# Altium PCB master.PcbDoc (part 5 of 5)
Units mm, origin at the board's own origin, x right, y up, seen from the top; angles counter-clockwise.
Board outline 160 x 120 mm, 4 copper layers (Top Copper, Signal Layer 1, Signal Layer 2, Bot Copper), stack 1.56 mm thick; 330 components, 331 nets, 1402 pads, 711 vias.
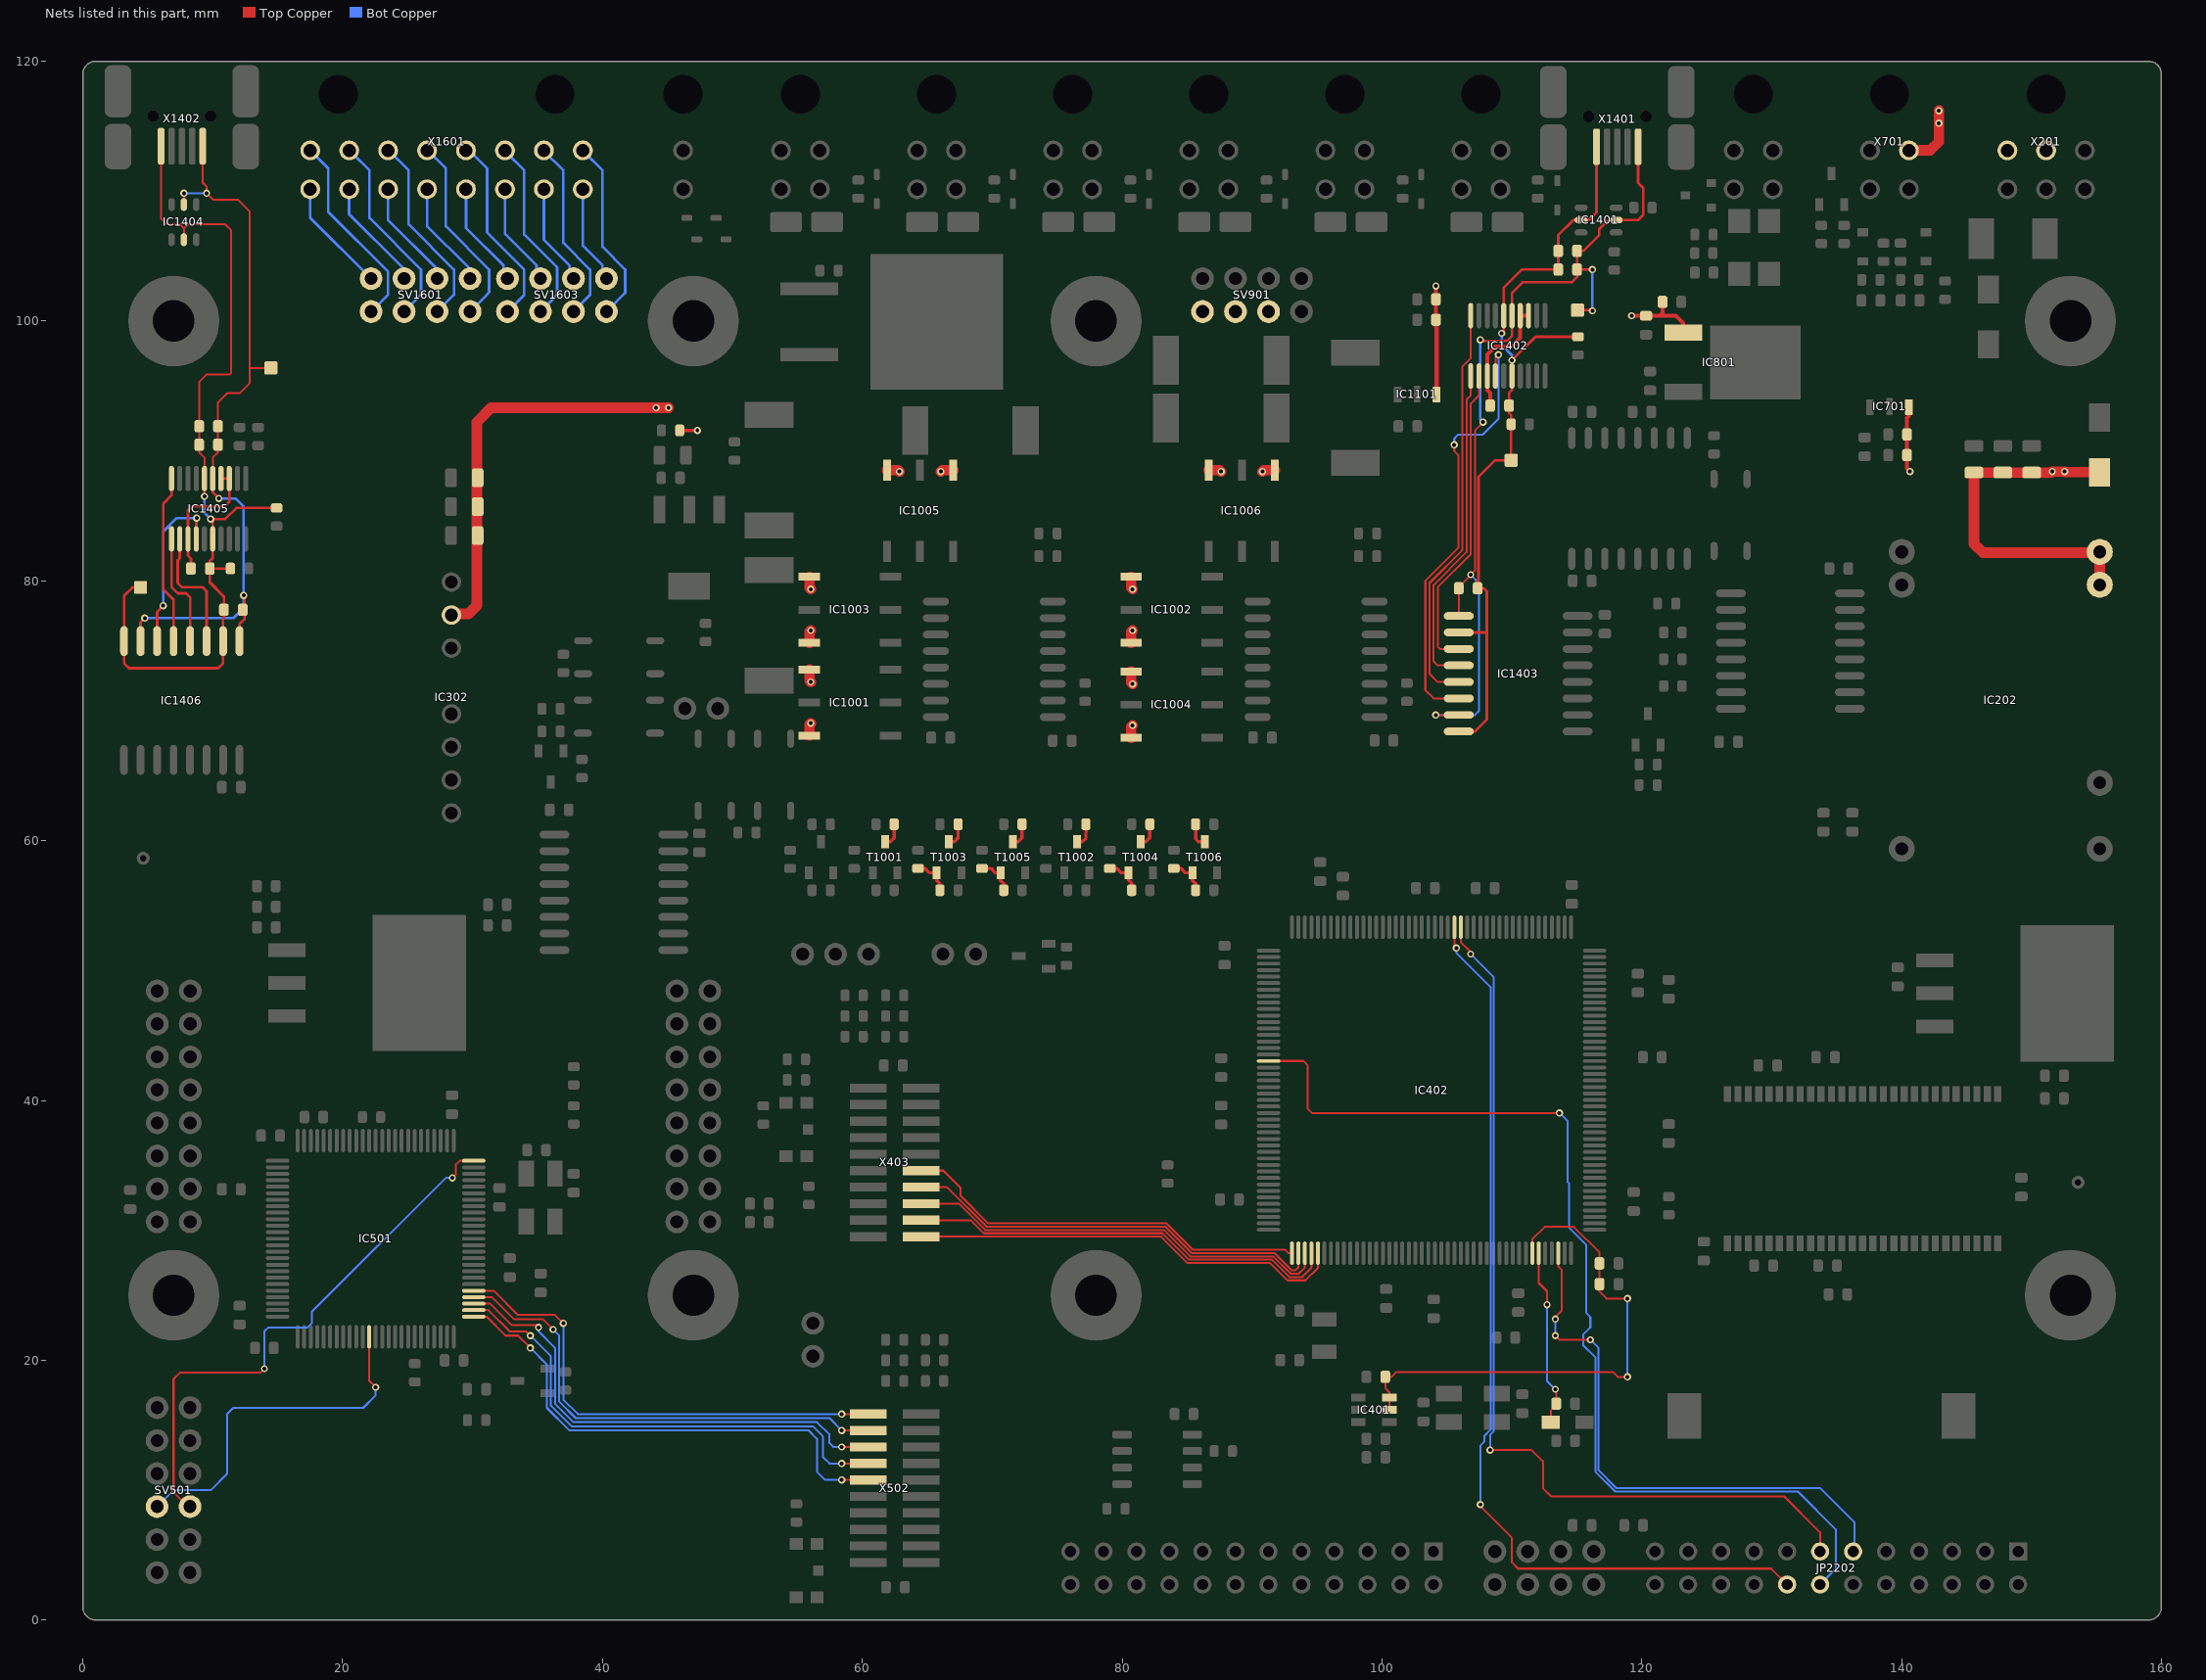
[diagram p7: the nets of this part, all layers, seen from the top]

## Via types
v1: diameter 0.55, hole 0.3, Top Copper to Bot Copper, tented both sides, 708 vias
v2: diameter 0.65, hole 0.4, Top Copper to Bot Copper, tented both sides, 3 vias

## Nets (pads, with @x,y where several pads share a name; then routed paths per layer and width w, separated by ;. In a path a pad name is that pad's centre, name@x,y a point inside that pad or via, vN(x,y) a via of type N, cw(c..) or ccw(c..) an arc to the next point about the centre after c; other vN are vias at no path point) (continued)
NetR1005_1: R1005.1 T1001.D | length 1.9
  Top Copper w0.254: T1001.D@61.754,59.923 62.155,59.923 62.155,59.93 62.454,60.228 R1005.1@62.454,61.263
NetR1006_1: R1006.1 T1002.D | length 1.9
  Top Copper w0.254: T1002.D@76.517,59.923 76.941,59.923 77.216,60.198 77.216,60.709 77.218,60.711 R1006.1@77.218,61.263
NetR1007_1: R1007.1 R1009.2 T1003.G | length 3.1
  Top Copper w0.254: R1009.2@64.294,57.864 64.845,57.864 65.187,57.523 T1003.G@65.725,57.523 65.725,56.921 65.912,56.734 65.975,56.734 R1007.1@65.975,56.183
NetR1008_1: R1008.1 R1010.2 T1004.G | length 3.1
  Top Copper w0.254: R1010.2@79.057,57.864 79.609,57.864 79.95,57.523 T1004.G@80.489,57.523 80.489,56.921 80.552,56.921 80.739,56.734 R1008.1@80.739,56.183
NetR1011_1: R1011.1 T1003.D | length 1.9
  Top Copper w0.254: T1003.D@66.675,59.923 67.077,59.923 67.375,60.221 R1011.1@67.375,61.263
NetR1012_1: R1012.1 T1004.D | length 1.9
  Top Copper w0.254: T1004.D@81.439,59.923 81.84,59.923 82.139,60.221 R1012.1@82.139,61.263
NetR1013_1: R1013.1 R1015.2 T1005.G | length 3.1
  Top Copper w0.254: R1015.2@69.215,57.864 69.903,57.864 70.245,57.523 T1005.G@70.646,57.523 70.646,56.921 70.833,56.734 70.896,56.734 R1013.1@70.896,56.183
NetR1014_1: R1014.1 R1016.2 T1006.G | length 3.1
  Top Copper w0.254: R1016.2@83.979,57.864 84.53,57.864 84.872,57.523 T1006.G@85.41,57.523 85.41,56.921 85.597,56.734 85.66,56.734 R1014.1@85.66,56.183
NetR1017_1: R1017.1 T1005.D | length 1.9
  Top Copper w0.254: T1005.D@71.596,59.923 71.998,59.923 72.296,60.221 R1017.1@72.296,61.263
NetR1018_1: R1018.1 T1006.D | length 1.9
  Top Copper w0.254: R1018.1@85.66,61.263 85.66,60.136 85.873,59.923 T1006.D@86.36,59.923
NetSV1601_1: SV1601.1 X1601.1 | length 15.6
  Bot Copper w0.152: X1601.1@17.5,113.06 17.545,113.015 X1601.1@17.621,113.015
  Bot Copper w0.203: X1601.1@17.5,113.14 17.5,113.136 17.621,113.015 18.891,111.745 18.891,108.411 23.495,103.808 23.495,102.035 SV1601.1@22.19,100.73
NetSV1601_2: SV1601.2 X1601.9 | length 8.8
  Bot Copper w0.203: X1601.9@17.5,110.14 17.5,107.96 SV1601.2@22.19,103.27
NetSV1601_3: SV1601.3 X1601.2 | length 15.4
  Bot Copper w0.152: X1601.2@20.5,113.06 20.545,113.015 X1601.2@20.637,113.015
  Bot Copper w0.203: X1601.2@20.5,113.14 20.513,113.14 20.637,113.015 22.066,111.586 22.066,107.935 26.035,103.966 26.035,102.035 SV1601.3@24.73,100.73
NetSV1601_4: SV1601.4 X1601.10 | length 8.6
  Bot Copper w0.203: X1601.10@20.5,110.14 20.5,108.231 24.606,104.125 24.606,103.464 SV1601.4@24.73,103.27
NetSV1601_5: SV1601.5 X1601.3 | length 15.2
  Bot Copper w0.152: X1601.3@23.5,113.06 23.5,113.111 X1601.3@23.529,113.14
  Bot Copper w0.203: X1601.3@23.5,113.14 23.529,113.14 25.082,111.586 25.082,107.459 28.575,103.966 28.575,102.035 SV1601.5@27.27,100.73
NetSV1601_6: SV1601.6 X1601.11 | length 8.4
  Bot Copper w0.203: X1601.11@23.5,110.14 23.5,107.771 27.146,104.125 27.146,103.394 SV1601.6@27.27,103.27
NetSV1601_7: SV1601.7 X1601.4 | length 15.1
  Bot Copper w0.152: X1601.4@26.5,113.06 26.5,113.095 X1601.4@26.545,113.14
  Bot Copper w0.203: X1601.4@26.5,113.14 26.545,113.14 27.94,111.745 27.94,107.3 31.274,103.966 31.274,102.22 31.115,102.061 31.115,102.035 SV1601.7@29.81,100.73
NetSV1601_8: SV1601.8 X1601.12 | length 8.2
  Bot Copper w0.203: X1601.12@26.5,110.14 26.5,107.311 29.686,104.125 29.686,103.394 SV1601.8@29.81,103.27
NetSV1603_1: SV1603.1 X1601.5 | length 15
  Bot Copper w0.152: X1601.5@29.5,113.06 X1601.5@29.5,113.14
  Bot Copper w0.203: X1601.5@29.5,113.14 29.72,113.14 31.115,111.745 31.115,106.824 33.972,103.966 33.972,102.012 SV1603.1@32.69,100.73
NetSV1603_2: SV1603.2 X1601.13 | length 8.2
  Bot Copper w0.203: X1601.13@29.5,110.14 29.5,107.169 32.385,104.284 32.385,103.575 SV1603.2@32.69,103.27
NetSV1603_3: SV1603.3 X1601.6 | length 14.7
  Bot Copper w0.152: X1601.6@32.5,113.06 32.544,113.016 X1601.6@32.544,113.015
  Bot Copper w0.203: X1601.6@32.5,113.14 32.5,113.06 32.5,113.059 32.544,113.015 33.972,111.586 33.972,106.665 36.512,104.125 36.512,102.012 SV1603.3@35.23,100.73
NetSV1603_4: SV1603.4 X1601.14 | length 8
  Bot Copper w0.203: X1601.14@32.5,110.14 32.5,106.709 34.925,104.284 34.925,103.575 SV1603.4@35.23,103.27
NetSV1603_5: SV1603.5 X1601.7 | length 14.4
  Bot Copper w0.152: X1601.7@35.5,113.06 X1601.7@35.5,113.075
  Bot Copper w0.203: X1601.7@35.5,113.14 35.5,113.075 36.989,111.586 36.989,106.03 39.052,103.966 39.052,102.012 SV1603.5@37.77,100.73
NetSV1603_6: SV1603.6 X1601.15 | length 7.8
  Bot Copper w0.203: X1601.15@35.5,110.14 35.5,106.249 37.465,104.284 37.465,103.575 SV1603.6@37.77,103.27
NetSV1603_7: SV1603.7 X1601.8 | length 14.4
  Bot Copper w0.152: X1601.8@38.5,113.06 X1601.8@38.5,113.091
  Bot Copper w0.203: X1601.8@38.5,113.14 38.5,113.091 40.005,111.586 40.005,105.713 41.751,103.966 41.751,102.171 SV1603.7@40.31,100.73
NetSV1603_8: SV1603.8 X1601.16 | length 7.6
  Bot Copper w0.203: X1601.16@38.5,110.14 38.5,105.789 40.005,104.284 40.005,103.575 SV1603.8@40.31,103.27
RS485_MCU_0_DE: IC402.107 JP2202.16 | length 73.5
  Top Copper w0.152: IC402.107@105.573,53.534 105.573,51.892 v1(105.727,51.738) ; v1(107.569,8.89) 107.569,8.78 110.014,6.335 110.014,4.43 110.49,3.954 129.966,3.954 JP2202.16@131.19,2.73
  Bot Copper w0.152: v1(105.727,51.738) 105.727,51.371 108.362,48.737 108.362,14.642 107.869,14.15 107.869,13.725 107.569,13.425 v1(107.569,8.89)
RS485_MCU_0_NRE: IC402.106 JP2202.13 | length 72.3
  Top Copper w0.152: IC402.106@106.072,53.534 106.072,52.186 106.839,51.42 v1(106.839,51.261) ; v1(108.331,13.081) 111.521,13.081 112.395,12.207 112.395,10.145 113.03,9.51 130.969,9.51 133.73,6.749 JP2202.13@133.73,5.27
  Bot Copper w0.152: v1(106.839,51.261) 108.616,49.484 108.616,14.537 108.331,14.253 v1(108.331,13.081)
RS485_MCU_0_RX: IC402.150 JP2202.14 | length 80.5
  Top Copper w0.152: IC402.150@91.072,43.034 93.953,43.034 94.297,42.689 94.297,39.355 94.615,39.038 v1(113.665,39.038)
  Bot Copper w0.152: v1(113.665,39.038) 114.3,38.403 114.3,33.723 114.41,33.614 114.41,30.196 115.729,28.878 115.729,23.639 116.046,23.321 116.046,22.528 115.492,21.973 115.492,21.16 116.427,20.225 116.427,11.419 117.955,9.891 132.017,9.891 134.938,6.97 134.938,3.938 JP2202.14@133.732,2.732 JP2202.14@133.73,2.73
RS485_MCU_0_TX: IC402.42 JP2202.11 | length 43.2
  Top Copper w0.152: v1(113.347,21.893) 113.665,21.575 v1(116.046,21.575) ; v1(113.347,23.163) 113.347,23.321 113.824,23.798 113.824,26.973 113.573,27.224 IC402.42@113.573,28.034
  Bot Copper w0.152: v1(113.347,21.893) v1(113.347,23.163) ; v1(116.046,21.575) 116.681,20.94 116.681,11.524 118.06,10.145 133.746,10.145 136.366,7.525 136.366,5.366 JP2202.11@136.272,5.272 JP2202.11@136.27,5.27
SUPPLY_EXT_0: C201.1 C203.1 C204.1 C302.1 C303.1 C304.1 C701.1 C702.1 C801.2 C802.2 C1101.1 C1102.1 D201.1 IC202.22 IC202.23 IC302.2 IC701.3 IC801.1 IC1101.3 SV901.3 X701.2 | length 83.9
  Top Copper w0.152: X701.2@140.565,113.06 X701.2@140.565,113.14
  Top Copper w0.305: v1(104.161,102.696) C1101.1@104.161,101.676 C1102.1@104.161,100.101 104.161,99.525 104.211,99.475 IC1101.3@104.211,94.329 ; v1(119.221,100.405) C802.2@120.332,100.405 121.36,100.405 ; C801.2@121.601,101.473 121.601,100.646 121.36,100.405 ; IC801.1@123.2,99.103 123.2,99.829 122.624,100.405 121.36,100.405 ; IC701.3@140.565,93.376 140.565,92.675 140.425,92.535 C702.1@140.425,91.266 C701.1@140.425,89.679 140.425,88.636 v1(140.653,88.409)
  Top Copper w0.813: IC302.2@28.4,77.46 28.405,77.455 29.686,77.455 30.321,78.09 30.321,92.219 31.432,93.33 v1(44.133,93.33) v1(45.085,93.33) ; X701.2@140.565,113.14 142.206,113.14 142.875,113.809 v1(142.875,115.238) v1(142.875,116.19) ; IC202.22@155.257,79.62 IC202.22@155.257,79.69 155.257,82.16 146.266,82.16 145.574,82.853 C203.1@145.574,88.336 C204.1@147.796,88.336 C201.1@150.019,88.336 151.534,88.336 v1(151.606,88.409) v1(152.559,88.409) 152.605,88.363 D201.1@155.257,88.363
SUPPLY_EXT_2: IC1001.4 IC1001.6 IC1002.4 IC1002.6 IC1003.4 IC1003.6 IC1004.4 IC1004.6 IC1005.4 IC1005.6 IC1006.4 IC1006.6 R901.2 SV901.5 SV901.7 X201.1 X201.2 | length 13.2
  Top Copper w0.254: R901.2@46.094,91.584 v1(47.307,91.584)
  Top Copper w0.813: IC1001.6@55.93,68.089 55.93,68.933 v1(56.039,69.041) ; IC1001.4@55.93,73.169 55.93,72.325 v1(56.039,72.216) ; IC1003.6@55.93,75.233 55.93,76.076 v1(56.039,76.185) ; IC1003.4@55.93,80.313 55.93,79.469 v1(56.039,79.36) ; IC1005.6@61.912,88.518 62.756,88.518 v1(62.865,88.409) ; v1(66.04,88.409) 66.149,88.518 IC1005.4@66.992,88.518 ; IC1004.6@80.695,67.93 80.695,68.774 v1(80.804,68.883) ; IC1004.4@80.695,73.01 80.695,72.166 v1(80.804,72.058) ; IC1002.6@80.695,75.233 80.695,76.076 v1(80.804,76.185) ; IC1002.4@80.695,80.313 80.695,79.469 v1(80.804,79.36) ; IC1006.6@86.677,88.518 87.521,88.518 v1(87.63,88.409) ; v1(90.805,88.409) 90.914,88.518 IC1006.4@91.757,88.518
TRACECLK_MCU_0: IC402.1 X403.12 | length 31.5
  Top Copper w0.152: X403.12@64.535,34.593 66.245,34.593 67.564,33.274 67.564,32.664 69.698,30.531 83.429,30.531 85.463,28.497 92.558,28.497 92.821,28.234 IC402.1@93.072,28.234
TRACECLK_MCU_1: IC501.1 X502.12 | length 38.8
  Top Copper w0.152: IC501.1@30.293,23.354 31.082,23.354 32.544,21.893 33.496,21.893 v1(34.449,20.94) ; v1(58.42,10.78) X502.12@60.465,10.78
  Bot Copper w0.152: v1(34.449,20.94) 35.719,19.67 35.719,16.336 37.465,14.59 55.88,14.59 56.515,13.955 56.515,11.415 57.15,10.78 v1(58.42,10.78)
TRACED0_MCU_0: IC402.2 X403.14 | length 32.7
  Top Copper w0.152: X403.14@64.535,33.323 66.525,33.323 69.571,30.277 83.323,30.277 85.358,28.243 91.747,28.243 93.077,26.913 93.334,26.913 93.573,27.152 IC402.2@93.573,28.034
TRACED0_MCU_1: IC501.2 X502.14 | length 38.2
  Top Copper w0.152: IC501.2@30.293,23.854 31.218,23.854 32.861,22.21 34.131,22.21 v1(34.449,21.893) ; v1(58.42,12.05) X502.14@60.465,12.05
  Bot Copper w0.152: v1(34.449,21.893) 36.036,20.305 36.036,16.495 37.624,14.908 56.197,14.908 56.991,14.114 56.991,12.526 57.468,12.05 v1(58.42,12.05)
TRACED1_MCU_0: IC402.3 X403.16 | length 32.9
  Top Copper w0.152: X403.16@64.535,32.053 67.436,32.053 69.465,30.023 83.218,30.023 85.252,27.989 91.642,27.989 92.972,26.659 93.588,26.659 94.072,27.143 IC402.3@94.072,28.034
TRACED1_MCU_1: IC501.3 X502.16 | length 37.8
  Top Copper w0.152: IC501.3@30.293,24.354 31.352,24.354 33.02,22.686 34.925,22.686 v1(35.084,22.528) ; v1(58.42,13.32) X502.16@60.465,13.32
  Bot Copper w0.152: v1(35.084,22.528) 35.084,22.21 36.354,20.94 36.354,16.654 37.782,15.225 56.515,15.225 57.468,14.273 57.468,13.638 57.785,13.32 v1(58.42,13.32)
TRACED2_MCU_0: IC402.4 X403.18 | length 33.1
  Top Copper w0.152: X403.18@64.535,30.783 68.346,30.783 69.36,29.769 83.113,29.769 85.147,27.735 91.537,27.735 92.867,26.405 93.867,26.405 94.573,27.11 IC402.4@94.573,28.034
TRACED2_MCU_1: IC501.4 X502.18 | length 37.4
  Top Copper w0.152: IC501.4@30.293,24.854 31.488,24.854 33.179,23.163 35.401,23.163 v1(36.195,22.369) ; v1@58.579,14.59 X502.18@60.465,14.59
  Top Copper w0.203: v1(58.42,14.59) v1@58.579,14.59
  Bot Copper w0.152: v1(36.195,22.369) 36.671,21.893 36.671,16.813 37.941,15.543 57.468,15.543 v1(58.42,14.59)
TRACED3_MCU_0: IC402.5 X403.20 | length 33.3
  Top Copper w0.152: X403.20@64.535,29.513 83.01,29.513 85.042,27.481 91.391,27.481 92.721,26.151 94.121,26.151 95.072,27.102 IC402.5@95.072,28.034
TRACED3_MCU_1: IC501.5 X502.20 | length 37.5
  Top Copper w0.152: IC501.5@30.293,25.354 31.622,25.354 33.496,23.48 36.354,23.48 v1(36.989,22.845) ; v1(58.42,15.86) X502.20@60.465,15.86
  Bot Copper w0.152: v1(36.989,22.845) 36.989,16.971 38.1,15.86 v1(58.42,15.86)
USART_MCU_1_RX: IC501.87 SV501.6 | length 27.6
  Top Copper w0.152: IC501.87@22.043,21.604 22.043,18.424 v1(22.543,17.924)
  Bot Copper w0.152: SV501.6@5.715,8.73 6.971,9.986 9.842,9.986 11.112,11.256 11.112,15.86 11.589,16.336 21.59,16.336 22.543,17.289 v1(22.543,17.924)
USART_MCU_1_TX: IC501.25 SV501.5 | length 43.3
  Top Copper w0.152: SV501.5@8.255,8.73 8.083,8.73 6.985,9.828 6.985,18.559 7.461,19.035 13.652,19.035 v1(13.97,19.353) ; v1(28.448,34.036) 28.702,34.29 28.702,35.033 29.023,35.354 IC501.25@30.293,35.354
  Bot Copper w0.152: v1(13.97,19.353) 13.97,22.21 14.287,22.528 17.304,22.528 17.621,22.845 17.621,23.72 27.815,33.909 27.942,34.036 v1(28.448,34.036)
USB0_FTDI_DTR: IC1402.1 IC1403.4 | length 24.9
  Top Copper w0.152: IC1403.4@105.962,73.486 IC1403.4@105.915,73.486 104.299,73.486 103.981,73.804 103.981,79.678 106.521,82.218 106.521,93.965 106.839,94.283 IC1402.1@106.839,95.426
USB0_FTDI_RTS: IC1402.2 IC1403.3 | length 23.6
  Top Copper w0.152: IC1403.3@105.962,74.756 IC1403.3@105.915,74.756 104.457,74.756 104.299,74.915 104.299,79.519 106.839,82.059 106.839,93.648 107.474,94.283 IC1402.2@107.474,95.426
USB0_FTDI_RX: IC1402.4 IC1403.6 | length 34.1
  Top Copper w0.152: v1(105.569,90.473) 105.569,89.996 105.886,89.679 105.886,82.535 103.346,79.995 103.346,71.581 103.981,70.946 IC1403.6@105.915,70.946 IC1403.6@105.962,70.946 ; IC1402.4@108.744,95.768 108.744,97.187 v1(108.966,97.409)
  Bot Copper w0.152: v1(105.569,90.473) 105.569,90.949 105.886,91.266 107.776,91.266 108.966,92.456 v1(108.966,97.409)
USB0_FTDI_TX: IC1402.20 IC1403.5 | length 31.8
  Top Copper w0.152: IC1403.5@105.962,72.216 IC1403.5@105.915,72.216 104.299,72.216 103.664,72.851 103.664,79.836 106.204,82.376 106.204,96.505 106.839,97.14 IC1402.20@106.839,100.418 IC1402.20@106.839,100.76
USB1_FTDI_DTR: IC1405.1 IC1406.4 | length 8.5
  Top Copper w0.203: IC1405.1@6.826,82.884 6.826,79.519 7.302,79.043 7.938,79.043 8.255,78.725 IC1406.4@8.255,75.363 IC1406.4@8.255,75.315
USB1_FTDI_RTS: IC1405.2 IC1406.3 | length 9.5
  Top Copper w0.203: IC1405.2@7.461,82.884 7.461,81.741 7.302,81.583 7.302,79.836 7.62,79.519 9.207,79.519 9.525,79.201 IC1406.3@9.525,75.363 IC1406.3@9.525,75.315
USB1_FTDI_RX: IC1405.4 IC1406.6 | length 13.3
  Top Copper w0.203: IC1406.6@5.715,75.315 IC1406.6@5.715,75.363 5.715,77.614 v1(6.191,78.09) ; IC1405.4@8.731,83.226 8.731,84.804 v1(8.763,84.836)
  Bot Copper w0.203: v1(6.191,78.09) 6.191,83.805 7.222,84.836 v1(8.763,84.836)
USB1_FTDI_TX: IC1405.20 IC1406.5 | length 13.5
  Top Copper w0.203: IC1405.20@6.826,88.218 IC1405.20@6.826,87.876 6.826,86.582 6.191,85.947 6.191,79.36 6.985,78.566 IC1406.5@6.985,75.363 IC1406.5@6.985,75.315
USB_0_GND_EXT: C1401.2 C1402.2 C1403.2 C1404.2 IC1401.2 IC1402.6 IC1402.16 IC1403.2 IC1403.8 R1403.2 R1404.2 TP3.1 X1401.5 | length 62.9
  Top Copper w0.203: IC1403.8@105.915,68.406 107.167,68.406 108.077,69.317 108.077,75.946 ; IC1403.2@105.915,76.026 107.997,76.026 108.077,75.946 ; v1(109.22,99.06) 109.379,99.219 IC1402.16@109.379,100.418 109.379,102.584 110.761,103.966 C1401.2@113.575,103.966 C1402.2@113.575,105.395 113.575,106.622 114.73,107.776 IC1401.2@115.331,107.776 115.933,107.776 116.52,108.363 X1401.5@116.52,113.423 ; R1403.2@115.094,98.793 111.825,98.793 v1(110.014,96.981) IC1402.6@110.014,95.768 110.014,94.691 109.786,94.463 C1404.2@109.786,93.489 109.786,92.912 109.949,92.75 R1404.2@109.949,92.06 TP3.1@109.949,89.281 108.712,89.281 107.436,88.005 107.436,80.073 107.365,80.002 C1403.2@107.365,79.426 107.842,79.426 108.077,79.19 108.077,75.946
  Bot Copper w0.203: v1(109.22,99.06) 109.22,98.171 110.014,97.377 v1(110.014,96.981)
USB_0_VBUS1_EXT: C1401.1 C1402.1 C1403.1 IC1401.5 IC1402.15 IC1403.1 IC1403.7 TP1.1 X1401.1 | length 69.1
  Top Copper w0.152: v1(104.14,69.676) IC1403.7@105.915,69.676 IC1403.7@105.962,69.676 ; IC1403.1@105.915,77.296 C1403.1@105.915,79.426 105.915,79.526 106.839,80.45 v1(106.839,80.471) 107.156,80.789 107.156,91.584 v1(107.791,92.219)
  Top Copper w0.203: v1(107.569,98.552) 107.641,98.48 109.656,98.48 110.014,98.838 IC1402.15@110.014,100.418 110.014,102.14 110.871,102.997 114.632,102.997 115.025,103.39 C1401.1@115.025,103.966 ; TP1.1@115.062,100.838 116.158,100.838 v1(116.205,100.791) v1@116.199,100.785 ; v1(116.205,103.966) C1401.1@115.025,103.966 ; X1401.1@119.72,113.423 119.72,110.633 120.117,110.236 120.117,108.179 119.714,107.776 IC1401.5@118.031,107.776 117.43,107.776 116.713,107.06 116.713,106.606 115.502,105.395 C1402.1@115.025,105.395 C1401.1@115.025,103.966
  Bot Copper w0.152: v1(104.14,69.676) 107.156,69.676 107.474,69.994 107.474,79.836 v1(106.839,80.471)
  Bot Copper w0.203: v1(107.569,98.552) 107.569,92.441 v1(107.791,92.219) ; v1(116.205,100.791) v1(116.205,103.966)
USB_0_VCC_EXT: C1404.1 IC1402.3 IC1402.13 IC1402.14 | length 9.5
  Top Copper w0.305: C1404.1@108.336,93.489 108.336,94.463 108.109,94.691 IC1402.3@108.109,95.768 108.109,97.444 108.709,98.044 109.982,98.044 110.649,98.711 IC1402.14@110.649,100.418 IC1402.13@111.284,100.418
USB_1_GND_EXT: C1406.2 C1407.2 C1408.2 C1409.2 IC1404.2 IC1405.6 IC1405.16 IC1406.2 IC1406.8 R1407.2 R1408.2 TP4.1 X1402.5 | length 70.4
  Top Copper w0.152: X1402.5@6.025,113.464 6.025,107.894 6.46,107.459 7.461,107.459 7.779,107.141 ; IC1404.2@7.779,106.418 7.779,107.141 ; IC1405.16@9.366,87.876 9.366,89.488 8.959,89.896 C1407.2@8.959,90.473 C1406.2@8.959,91.901 8.959,95.319 9.51,95.87 11.271,95.87 11.43,96.029 11.43,106.983 10.954,107.459 8.096,107.459 7.779,107.141
  Top Copper w0.203: TP4.1@4.445,79.502 3.843,79.502 3.175,78.834 IC1406.8@3.175,75.363 3.175,73.66 3.556,73.279 10.414,73.279 10.795,73.66 IC1406.2@10.795,75.363 10.795,77.127 10.864,77.196 C1408.2@10.864,77.773 10.864,78.798 9.774,79.888 C1409.2@9.774,80.948 ; v1(9.366,86.504) IC1405.16@9.366,87.876 ; R1408.2@11.365,80.948 C1409.2@9.774,80.948 ; R1407.2@14.922,85.616 11.829,85.616 10.971,84.758 v1(9.842,84.758) 10.001,84.599 IC1405.6@10.001,83.226 10.001,81.752 9.774,81.524 C1409.2@9.774,80.948
  Bot Copper w0.203: v1(9.366,86.504) 9.366,85.234 v1(9.842,84.758)
USB_1_VBUS1_EXT: C1406.1 C1407.1 C1408.1 IC1404.5 IC1405.15 IC1406.1 IC1406.7 TP2.1 X1402.1 | length 59.7
  Top Copper w0.152: IC1404.5@7.779,108.817 IC1404.5@7.779,108.968 v1(7.779,109.84) ; X1402.1@9.225,113.464 9.225,110.663 9.525,110.363 v1(9.525,109.84) 10.018,109.347 11.923,109.347 12.859,108.411 12.859,96.393 ; IC1405.15@10.001,87.876 10.001,89.488 10.409,89.896 C1407.1@10.409,90.473 C1406.1@10.409,91.901 10.409,93.732 10.613,93.936 10.613,93.942 11.112,94.441 12.065,94.441 12.859,95.235 12.859,96.393 ; TP2.1@14.478,96.393 12.859,96.393
  Top Copper w0.203: IC1406.7@4.445,75.315 IC1406.7@4.445,75.363 4.445,76.82 v1(4.763,77.138) ; IC1405.15@10.001,87.876 10.001,86.8 10.023,86.8 v1(10.477,86.345) ; IC1406.1@12.065,75.315 IC1406.1@12.065,75.363 12.065,76.661 12.439,77.035 12.439,78.828 v1(12.383,78.884)
  Bot Copper w0.152: v1(7.779,109.84) v1(9.525,109.84)
  Bot Copper w0.203: v1(4.763,77.138) 11.589,77.138 12.383,77.931 v1(12.383,78.884) 12.383,85.71 11.747,86.345 v1(10.477,86.345)
USB_1_VCC_EXT: C1409.1 IC1405.3 IC1405.13 IC1405.14 | length 10.5
  Top Copper w0.203: C1409.1@8.324,80.948 8.324,81.719 8.096,81.947 IC1405.3@8.096,83.226 8.096,85.439 8.382,85.725 10.922,85.725 11.271,86.074 IC1405.13@11.271,87.876 IC1405.14@10.636,87.876
VDDA_MCU_0: C411.1 IC402.39 L401.2 | length 13.5
  Top Copper w0.152: IC402.39@112.076,28.034 112.072,28.03 112.072,25.946 112.712,25.306 v1(112.712,24.274) ; L401.2@113,15.225 113,15.827 113.024,15.851 113.024,16.162 113.416,16.554 C411.1@113.416,16.654 113.416,17.696 v1(113.347,17.765)
  Bot Copper w0.152: v1(112.712,24.274) 112.712,18.4 v1(113.347,17.765)
VREF+_MCU_0: C422.1 C423.1 C424.1 IC401.5 IC401.6 IC402.38 | length 40.5
  Top Copper w0.152: IC401.5@100.578,16.178 IC401.6@100.578,17.128 100.578,17.529 100.261,17.845 C422.1@100.261,18.718 100.738,18.718 101.119,19.099 117.771,19.099 118.152,18.718 v1(118.904,18.718) ; IC402.38@111.572,28.234 111.572,29.304 112.541,30.272 114.774,30.272 116.75,28.297 C424.1@116.75,27.449 C423.1@116.75,25.861 116.75,25.285 117.285,24.75 v1(118.904,24.75)
  Bot Copper w0.152: v1(118.904,18.718) v1(118.904,24.75)
pads on no net: Designator15.Hole_3.2_4 Designator16.Hole_3.2_3 Designator17.Hole_3.2_2 Designator18.Hole_3.2_1 Designator19.Hole_3.2_5 Designator20.Hole_3.2_6 Designator21.Hole_3.2_7 Designator22.Hole_3.2_8 IC202.11 IC302.3 IC302.5 IC302.8 IC402.12 IC402.13 IC402.28 IC402.110 IC402.111 IC402.134 IC402.151 IC402.176 IC501.7 IC501.8 IC501.9 IC501.15 IC501.16 IC501.23 IC501.24 IC501.26 IC501.33 IC501.34 IC501.35 IC501.36 IC501.38 IC501.39 IC501.40 IC501.41 IC501.42 IC501.43 IC501.44 IC501.45 IC501.46 IC501.55 IC501.56 IC501.57 IC501.58 IC501.59 IC501.60 IC501.61 IC501.62 IC501.63 IC501.64 IC501.65 IC501.66 IC501.67 IC501.68 IC501.88 IC501.92 IC501.93 IC501.95 IC501.96 IC501.97 IC501.98 IC702.6 IC702.11 IC802.4 IC802.6 IC1001.3 IC1002.3 IC1003.3 IC1004.3 IC1005.3 IC1006.3 IC1102.6 IC1102.7 IC1102.11 IC1103.6 IC1103.7 IC1103.11 IC1401.1 IC1401.3 IC1402.5 IC1402.8 IC1402.10 IC1402.17 IC1402.18 IC1402.19 IC1404.1 IC1404.3 IC1405.5 IC1405.8 IC1405.10 IC1405.17 IC1405.18 IC1405.19 IC1801.36 IC1801.40 JP2201.7 JP2201.23 JP2202.23 S401.5 S501.5 SV1602.13 SV1602.14 SV1602.15 SV1602.16 SV1604.13 SV1604.14 SV1604.15 SV1604.16 X201. X403.7 X502.7 X701. X801. X801.2 X901. X1201. X1202. X1203. X1204. X1205. X1206. X1401.4 X1401.6 X1401.7 X1401.8 X1401.9 X1401.X X1401.Y X1402.4 X1402.6 X1402.7 X1402.8 X1402.9 X1402.X X1402.Y X1601.

## Polygon pours and split planes (outlines as drawn)
no net on Top Overlay "Polygon_42_NoNet" (solid): 33 vertices, not listed, extent 126.859,60.719 127.388,61.25
no net on Top Overlay "Polygon_41_NoNet" (solid): 17 vertices, not listed, extent 126.624,58.89 127.624,60.647
no net on Top Overlay "Polygon_40_NoNet" (solid): 133 vertices, not listed, extent 125.305,58.251 128.943,61.89
no net on Top Overlay "Polygon_39_NoNet" (solid): 59 vertices, not listed, extent 122.946,59.496 123.99,60.644
no net on Top Overlay "Polygon_38_NoNet" (solid): 58 vertices, not listed, extent 121.901,59.496 122.945,60.644
no net on Top Overlay "Polygon_37_NoNet" (solid): 134 vertices, not listed, extent 121.124,58.251 124.762,61.888
no net on Top Overlay "Polygon_29_NoNet" (solid, pour order 45): 152.038,20.984 157.842,20.984 157.842,0.576 152.038,0.576
no net on Top Overlay "Polygon_28_NoNet" (solid, pour order 34): 61 vertices, not listed, extent 19.736,2.663 23.761,9.557
no net on Top Overlay "Polygon_27_NoNet" (solid, pour order 33): 60 vertices, not listed, extent 23.298,4.055 26.949,8.078
no net on Top Overlay "Polygon_26_NoNet" (solid, pour order 31): 53 vertices, not listed, extent 26.934,4.064 30.96,8.078
no net on Top Overlay "Polygon_25_NoNet" (solid, pour order 23): 69 vertices, not listed, extent 32.485,4.107 35.699,8.643
no net on Top Overlay "Polygon_24_NoNet" (solid, pour order 25): 33 vertices, not listed, extent 36.63,4.081 40.638,8.669
no net on Top Overlay "Polygon_23_NoNet" (solid, pour order 18): 75 vertices, not listed, extent 41.548,4.069 44.704,8.681
no net on Top Overlay "Polygon_22_NoNet" (solid, pour order 42): 105 vertices, not listed, extent 17.452,1.369 48.411,11.366
no net on Top Overlay "Polygon_21_NoNet" (solid, pour order 24): 16.847,67.743 21.167,67.743 21.169,68.63 19.289,68.63 19.287,70.082 18.583,70.082 18.582,68.63 17.554,68.632 17.553,70.155 16.848,70.154
no net on Top Overlay "Polygon_20_NoNet" (solid, pour order 13): 23 vertices, not listed, extent 17.891,70.71 21.17,72.599
no net on Top Overlay "Polygon_19_NoNet" (solid, pour order 9): 32 vertices, not listed, extent 19.213,72.808 21.24,74.276
no net on Top Overlay "Polygon_18_NoNet" (solid, pour order 19): 49 vertices, not listed, extent 17.897,73.148 21.217,75.69
no net on Top Overlay "Polygon_17_NoNet" (solid, pour order 26): 41 vertices, not listed, extent 17.967,76.29 21.239,79.224
no net on Top Overlay "Polygon_16_NoNet" (solid, pour order 27): 44 vertices, not listed, extent 17.895,80.04 21.17,82.965
no net on Top Overlay "Polygon_15_NoNet" (solid, pour order 32): 43 vertices, not listed, extent 16.535,83.778 21.169,86.709
no net on Top Overlay "Polygon_14_NoNet" (solid, pour order 30): 75 vertices, not listed, extent 17.89,87.193 21.239,90.535
no net on Top Overlay "Polygon_13_NoNet" (solid, pour order 22): 35 vertices, not listed, extent 16.459,90.707 21.171,92.952
no net on Top Overlay "Polygon_12_NoNet" (solid, pour order 28): 68 vertices, not listed, extent 17.911,93.159 21.245,96.151
no net on Top Overlay "Polygon_11_NoNet" (solid, pour order 14): 25 vertices, not listed, extent 17.892,96.703 21.165,98.612
no net on Top Overlay "Polygon_10_NoNet" (solid, pour order 5): 23.319,93.454 23.319,93.91 25.495,93.909 25.494,93.452
no net on Top Overlay "Polygon_9_NoNet" (solid, pour order 4): 23.319,94.434 23.319,94.874 25.495,94.874 25.492,94.435
no net on Top Overlay "Polygon_8_NoNet" (solid, pour order 8): 60 vertices, not listed, extent 23.283,95.321 25.53,96.695
no net on Top Overlay "Polygon_7_NoNet" (solid, pour order 10): 56 vertices, not listed, extent 23.314,97.109 25.494,98.608
no net on Top Overlay "Polygon_6_NoNet" (solid, pour order 35): 14.712,59.213 16.52,59.223 16.489,59.801 16.404,60.655 16.248,61.745 16.133,62.355 15.988,63 15.753,63.874 15.508,64.629 15.237,65.334 15.108,65.632 14.707,65.632
no net on Top Overlay "Polygon_5_NoNet" (solid, pour order 12): 35 vertices, not listed, extent 15.238,59.215 17.598,65.629
no net on Top Overlay "Polygon_4_NoNet" (solid, pour order 20): 35 vertices, not listed, extent 15.829,59.22 19.305,65.626
no net on Top Overlay "Polygon_3_NoNet" (solid, pour order 21): 31 vertices, not listed, extent 16.614,59.22 21.166,65.629
no net on Top Overlay "Polygon_2_NoNet" (solid, pour order 11): 50 vertices, not listed, extent 17.377,59.793 21.168,65.631
no net on Top Overlay "Polygon_1_NoNet" (solid, pour order 29): 24 vertices, not listed, extent 18.011,61.486 21.167,65.629
SUPPLY_EXT_0 on Signal Layer 2 "Polygon_1_Net_SUPPLY_EXT_0" (solid, remove dead copper, pour order 58): 31 vertices, not listed, extent 43.236,67.193 157.899,119.467
+3.3V_1 on Signal Layer 2 "Polygon_1_Net_+3.3V_1" (solid, remove dead copper, pour order 53): 29 vertices, not listed, extent 2.121,0.518 69.475,75.493
+3.3V_0 on Signal Layer 2 "Polygon_1_Net_+3.3V_0" (solid, remove dead copper, pour order 57): 48 vertices, not listed, extent 43.713,0.518 157.899,83.272
SUPPLY_EXT_2 on Signal Layer 2 "Polygon_2_Net_SUPPLY_EXT_2" (solid, remove dead copper, pour order 49): 152.025,114.228 152.025,110.373 90.847,110.373 89.954,109.48 89.954,99.578 84.83,99.578 84.83,114.228
SUPPLY_EXT_2 on Signal Layer 2 "Polygon_1_Net_SUPPLY_EXT_2" (solid, remove dead copper, pour order 50): 22 vertices, not listed, extent 43.237,67.193 93.447,102.004
GND_EXT_0 on Top Copper "Polygon_3_Net_GND_EXT_0" (solid, remove dead copper, pour order 44): 113.575,119.507 135.039,119.507 135.039,87.249 113.575,87.249
GND_0 on Top Copper "Top Copper-GND_0" (solid, pour order 60): 120.863,17.733 125.689,17.733 125.689,13.669 120.863,13.669
CONTACTORS_COMMON_NEG on Top Copper "Polygon_1_Net_CONTACTORS_COMMON_NEG" (solid, remove dead copper, pour order 51): 50.381,105.135 60.7,105.135 60.7,93.546 73.919,93.546 74.078,106.087 111.863,106.087 111.702,120.102 50.381,120.102
+3.3V_0 on Top Copper "Polygon_2_Net_+3.3V_0" (solid, remove dead copper, pour order 47): 146.107,54.062 156.947,54.062 156.947,37.031 151.822,37.031 151.822,42.746 143.885,42.746 143.885,46.873 140.868,46.873 140.868,49.299 146.107,49.299
GND_EXT_0 on Top Copper "Polygon_2_Net_GND_EXT_0" (solid, remove dead copper, pour order 43): 136.106,98.67 142.024,98.67 142.024,87.672 136.106,87.672
+3.3V_1 on Top Copper "Polygon_2_Net_+3.3V_1" (solid, remove dead copper, pour order 48): 18.847,57.973 31.794,57.973 31.794,43.756 18.847,43.756 18.847,47.724 14.084,47.724 14.084,50.353 18.847,50.353
SUPPLY_EXT_0 on Top Copper "Polygon_2_Net_SUPPLY_EXT_0" (solid, remove dead copper, pour order 46): 144.812,89.171 157.924,89.171 157.924,69.825 144.812,69.825
NetD201_2 on Top Copper "Polygon_1_Net_N$16" (solid, remove dead copper, pour order 40): 148.622,95.838 157.924,95.838 157.924,91.774 148.622,91.774
GND_EXT_2 on Top Copper "Polygon_1_Net_GND_EXT_2" (solid, remove dead copper, pour order 38): 53.467,99.568 58.433,99.568 58.433,95.396 53.467,95.396
GND_0 on Top Copper "Polygon_3_Net_GND_0" (solid, remove dead copper, pour order 36): 131.185,63.745 136.944,63.745 136.944,61.637 131.185,61.637
GND_0 on Top Copper "Polygon_2_Net_GND_0" (solid, remove dead copper, pour order 39): 138.963,54.062 145.358,54.062 145.358,49.731 138.963,49.731
GND_1 on Top Copper "Polygon_2_Net_GND_1" (solid, remove dead copper, pour order 37): 14.186,54.062 18.675,54.062 18.675,50.683 14.186,50.683
GND_EXT_0 on Signal Layer 1 "GND_EXT_0_L02_P055" (solid, remove dead copper, pour order 55): 42 vertices, not listed, extent 43.237,67.193 157.899,119.467
GND_0 on Signal Layer 1 "Polygon_1_Net_GND_0" (solid, remove dead copper, pour order 56): 52 vertices, not listed, extent 43.713,0.518 157.899,83.272
GND_1 on Signal Layer 1 "Polygon_1_Net_GND_1" (solid, remove dead copper, pour order 54): 29 vertices, not listed, extent 2.121,0.52 69.475,75.493
GND_EXT_2 on Bot Copper "Polygon_2_Net_GND_EXT_2" (solid, remove dead copper, pour order 52): 20 vertices, not listed, extent 43.211,87.488 158.083,119.492
NetD201_2 on Bot Copper "Polygon_2_Net_N$16" (solid, remove dead copper, pour order 41): 148.622,95.838 157.924,95.838 157.924,91.774 148.622,91.774

## Keep-outs
Keep-Out Layer:
  lines w0: 0,1 ccw(c1,1) 1,0 159,0 ccw(c159,1) 160,1 160,119 ccw(c159,119) 159,120 1,120 ccw(c1,119) 0,119 0,1
  lines w3.556: 59.046,65.075 59.205,85.393
  lines w3.9: 41.275,65.073 41.275,82.218 ; 41.275,65.075 59.046,65.075 ; 52.621,19.424 52.621,26.645 ; 110.49,85.075 130.81,85.075
  lines w4: 41.275,65.075 41.275,19.353 52.549,19.353 52.621,19.424 ; 52.621,26.645 71.596,26.645 71.596,2.184 ; 59.205,85.393 69.85,85.393 69.85,65.073 83.82,65.073 83.82,85.551 94.615,85.551 94.615,65.073 110.49,65.073 110.49,85.075 ; 130.81,85.075 130.81,67.722 157.886,67.722

## Other copper
Top Copper:
  text "TOP" at 75.248,18.241 h1.27
Bot Copper:
  text "BOT" at 76.994,17.13 h1.27

## Silkscreen, mask and mechanical layers (free items; w line width, h text height)
Top Overlay:
  drawing of 3 lines, arcs and shapes, not listed
  text "9" at 15.494,109.779 h1.27
  text "16" at 39.675,109.703 h1.27
  text "4" at 146.685,109.364 h1.27
  text "6" at 155.099,109.364 h1.27
  text "Fuse: 2A" at 152.718,105.044 h1.27
  text "1" at 19.863,100.254 h1.02
  text "Creative Commons" at 120.969,57.033 h1.27
  text "Attribution 4.0" at 120.969,55.814 h1.27
  text "1" at 9.957,30.226 h1.27
  text "1" at 50.165,29.036 h1.27
  text "foxBMS.org" at 56.197,25.781 h2.54
  text "1" at 116.998,6.984 h1.27
  text "1" at 148.819,6.782 h1.27
  text "1" at 103.759,6.756 h1.27
  text "1" at 9.931,3.2 h1.27
  text "foxBMS BMS-Master v'.GlobalVersion'" at 151.89,1.093 h1.27 r90
Dimension:
  the board outline again, w0
Mechanical 2:
  text "Do NOT mill isolation meander." at 41.783,24.892 h1.52 r90
Descript:
  lines w0: 2,20 2,120 ; 52,20 52,120 ; 73,0 73,120 ; 158,0 158,120
  lines w0.254: 135.004,4.004 135.012,4.012

## Dimensions
62.5,19.988 to 62.706,120 on Mechanical 16
62.5,46.499 to 60.642,120 on Mechanical 16
62.5,18.4 to 0,17.924 on Mechanical 16
52,120 to 28,117.46 on Mechanical 16
0,119 to 151.13,117.46 on Mechanical 16
0,119 to 139.065,117.46 on Mechanical 16
0,119 to 128.588,117.46 on Mechanical 16
0,119 to 118.11,115.238 on Mechanical 16
0,119 to 107.632,117.46 on Mechanical 16
0,119 to 97.155,117.46 on Mechanical 16
0,119 to 86.677,117.46 on Mechanical 16
0,119 to 76.2,117.46 on Mechanical 16
0,119 to 65.722,117.46 on Mechanical 16
0,119 to 55.245,117.46 on Mechanical 16
0,119 to 46.2,117.46 on Mechanical 16
0,119 to 7.5,115.555 on Mechanical 16
160,119 to 137.65,84.44 on Mechanical 16
157.956,120 to 152.559,87.25 on Mechanical 16
157.956,120 to 150.654,54.75 on Mechanical 16
1,120 to 26.511,60.2 on Mechanical 16
52,120 to 22.4,80.948 on Mechanical 16
52,120 to 31.6,81.265 on Mechanical 16
158,0 to 90,4 on Mechanical 16
158,0 to 112.5,4 on Mechanical 16
158,0 to 135,4 on Mechanical 16
160,120 to 90,4 on Mechanical 16
0,120 to 26.035,82 on Mechanical 16
2,20 to 47,37 on Mechanical 16
0,120 to 7,39.54 on Mechanical 16
2,20 to 7,37 on Mechanical 16
0,120 to 26,102 on Mechanical 16
2,20 to 153,25.068 on Mechanical 16
2,20 to 78,25.068 on Mechanical 16
0,120 to 6.032,117.46 on Mechanical 16
52,120 to 26,102 on Mechanical 16
52,120 to 36.5,102 on Mechanical 16
2,20 to 52,31.1 on Mechanical 16
0,120 to 2,123.81 on Mechanical 16
0,120 to 6.985,25 on Mechanical 16
0,120 to 6.985,99.998 on Mechanical 16
0.953,120.044 to 0.953,0.044 on Mechanical 16
2,120 to 158,120 on Mechanical 16
0,120 to 160,120 on Mechanical 16

## Text inside footprints (layer, text, board x,y; h text height)
Designator181: Top Copper "1" at 148.229,13.72 h0.51 r90; Bot Copper "4" at 148.229,17.759 h0.51 r90; Signal Layer 1 "2" at 148.229,14.888 h0.51 r90; Signal Layer 2 "3" at 148.229,16.158 h0.51 r90